# Altium PCB Ethernet2MilProtocolAdapter.PcbDoc (part 2 of 3) (continued)
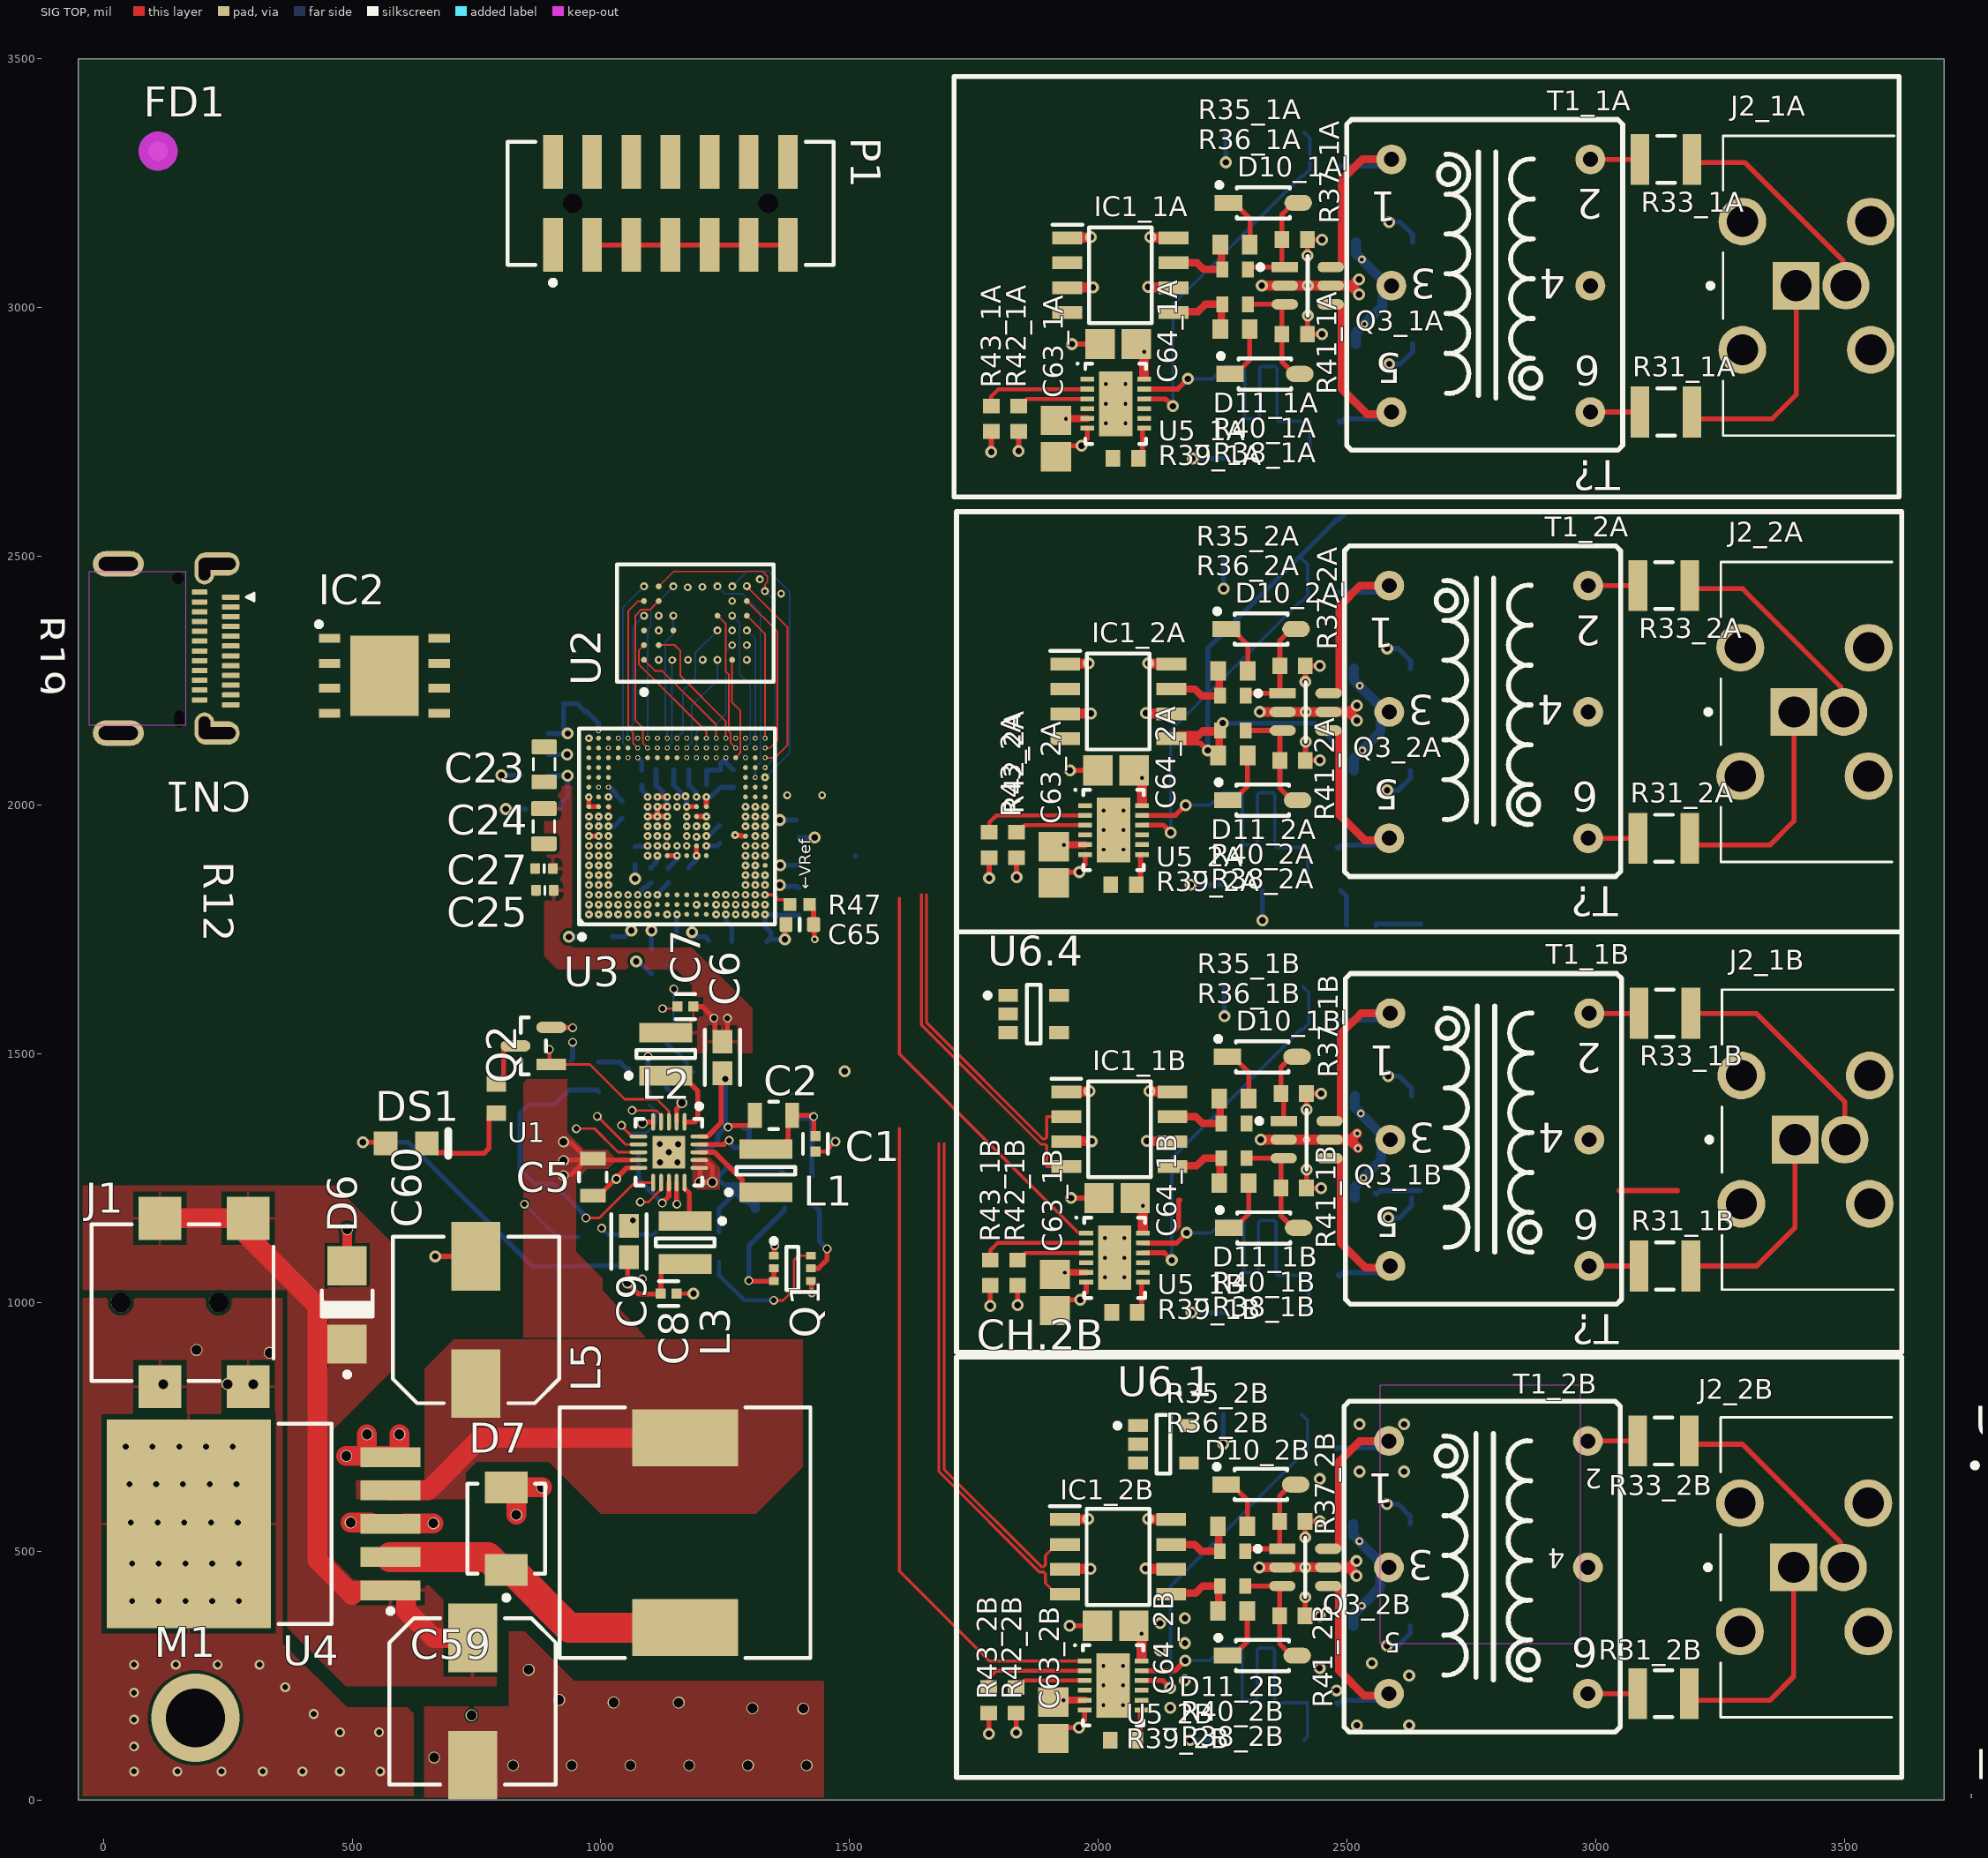
[diagram p0: SIG TOP view]
## Part data (continued)
U5_1A U5_1B U5_2A U5_2B: library part CMP-015-00008-1, "Line Transceiver, 1 Func, 1 Driver, 1 Rcvr, CMOS, PDSO12", Case/Package=HVSON, Max Operating Temperature=85°C, Max Supply Voltage=5.5V, Min Operating Temperature=-40°C, Min Supply Voltage=3V, Nominal Supply Voltage=3.3V, ComponentLink1Description="Datasheet Link", ComponentLink1URL=https://www.analog.com/media/en/technical-documentation/data-sheets/2862345fc.pdf, Pins=12, RoHS Compliant=Yes
U6.1 U6.2 U6.3 U6.4: library part CMP-2000-07604-2, "IC REG LINEAR 3.3V 300MA SOT23-5", Case/Package=SOT-23-5, Dropout Voltage=380mV, Max Input Voltage=5.5V, Max Operating Temperature=125°C, Max Output Current=300mA, Min Input Voltage=2.5V, Min Operating Temperature=-40°C, Nominal Output Voltage=3.3V, Operating Supply Current=42uA, Power Supply Rejection Ratio (PSRR)=60dB, Quiescent Current=38uA, Accuracy=3%, Height=1.1mm, Length=2.9mm, Mount="Surface Mount", Number of Outputs=1, Number of Pins=5, Output Current=300mA, Output Type=Fixed, Output Voltage=3.3V, Packaging="Tape and Reel", REACH SVHC="No SVHC", Width=1.6mm
Y1: library part CMP-27762-002611-1, "MEMS Oscillator 12MHz ±50ppm LVCMOS 3.3V SMD 2.5x2mm", Case/Package=SMD/SMT, Frequency=12MHz, Frequency Stability=50ppm, Load Capacitance=15pF, Max Operating Temperature=85°C, Max Supply Current=10mA, Max Supply Voltage=3.6V, Min Operating Temperature=-40°C, Min Supply Voltage=3V, Operating Frequency="12 MHz", Operating Supply Voltage=3.3V, Package Quantity=1000, Height=0.035inch, Lead Free="Lead Free", Length=0.098inch, Mount="Surface Mount", Number of Pins=4, Packaging="Tape and Reel", RoHS Compliant=Yes, Series="Pure Silicon™ ASDM", Termination=SMD/SMT, Width=0.079inch

## Via types
v1: diameter 15.75, hole 5.91, SIG TOP to SIG BOT, tented both sides, 138 vias
v2: diameter 24, hole 13, SIG TOP to SIG BOT, tented both sides, 107 vias
v3: diameter 15.75, hole 7.87, SIG TOP to SIG BOT, tented both sides, 49 vias
v4: diameter 9.84, hole 5.91, SIG TOP to SIG BOT, tented both sides, 46 vias
v5: diameter 19.68, hole 11.81, SIG TOP to SIG BOT, tented both sides, 45 vias
v6: diameter 17.72, hole 11.81, SIG TOP to SIG BOT, tented both sides, 34 vias
v7: diameter 23.62, hole 19.68, SIG TOP to SIG BOT, tented both sides, 27 vias
v8: diameter 19.68, hole 7.87, SIG TOP to SIG BOT, 24 vias
v9: diameter 24/0/0/0/0/24 (per signal layer), hole 13, SIG TOP to SIG BOT, tented both sides, 20 vias
v10: diameter 21.65, hole 15.75, SIG TOP to SIG BOT, tented both sides, 8 vias
v11: diameter 177.17, hole 118.11, SIG TOP to SIG BOT, 1 vias

## Nets (pads, with @x,y where several pads share a name; then routed paths per layer and width w, separated by ;. In a path a pad name is that pad's centre, name@x,y a point inside that pad or via, vN(x,y) a via of type N, cw(c..) or ccw(c..) an arc to the next point about the centre after c; other vN are vias at no path point)
5V_Rail: C60.1 L5.2 U4.4 | length 636.4
  SIG TOP w40: U4.4@577.07,621.98 653.06,621.98 759.27,728.18 L5.2@1169.53,728.18
+5: C3.1 C4.1 C5.1 C61_1A.2 C61_1B.2 C61_2A.2 C61_2B.2 C62_1A.2 C62_1B.2 C62_2A.2 C62_2B.2 C64_1A.2 C64_1B.2 C64_2A.2 C64_2B.2 IC1_1A.1 IC1_1A.6 IC1_1A.8 IC1_1B.1 IC1_1B.6 IC1_1B.8 IC1_2A.1 IC1_2A.6 IC1_2A.8 IC1_2B.1 IC1_2B.6 IC1_2B.8 R7.2 R8.2 R10.2 T1_1A.3 T1_1B.3 T1_2A.3 T1_2B.3 U1.2 U1.5 U1.9 U1.13 U1.16 U1.17 U5_1A.12 U5_1B.12 U5_2A.12 U5_2B.12 U6.1.1 U6.1.3 U6.2.1 U6.2.3 U6.3.1 U6.3.3 U6.4.1 U6.4.3 | length 4680.9
  SIG TOP w10: v10(925,1255) 927.23,1257.23 940.28,1257.23 963.51,1280.46 957.65,1286.32 926.22,1286.32 v10(925.08,1285.17) ; v10(925.08,1322.95) 927.31,1320.72 940.81,1320.72 963.51,1298.02 967.79,1293.74 C5.1@967.79,1289.24 ; C5.1@984.1,1289.24 987.01,1286.33 U1.9@1075.79,1286.33 ; v10(1083.67,1360.77) 1084.37,1360.07 1089.05,1360.07 1092.08,1363.1 U1.5@1105.32,1363.1 ; v6(1123.47,1199.84) 1136.81,1213.19 U1.13@1136.81,1241.05 ; U1.2@1152.56,1363.1 1152.56,1389.26 1162.84,1399.54 v10(1162.84,1401.37) ; U1.17@1197.84,1286.33 1209.49,1286.33 1224.1,1271.72 v10(1224.1,1241.84) v10(1199.1,1241.84) 1199.1,1265.92 ; v2(2095.68,2185) v2@2096.46,2184.22 ; v2(2100,3041.99) v2@2100.78,3041.21 ; IC1_2B.6@2145.68,464.22 IC1_2B.6@2146.46,463.43 ; IC1_2B.8@2145.68,564.22 IC1_2B.8@2146.46,563.43 ; IC1_2A.6@2146.35,2184.22 IC1_2A.6@2147.14,2183.43 ; IC1_2A.8@2146.35,2284.22 IC1_2A.8@2147.14,2283.43 ; IC1_1B.6@2148.51,1324.22 IC1_1B.6@2149.29,1323.43 ; IC1_1B.8@2148.51,1424.22 IC1_1B.8@2149.29,1423.43 ; IC1_1A.6@2150.68,3041.21 IC1_1A.6@2151.46,3040.42 ; IC1_1A.8@2150.68,3141.21 IC1_1A.8@2151.46,3140.42
  SIG TOP w20: IC1_2B.1@1932.92,563.43 1933.72,564.23 1979.23,564.23 v2(1980,565) ; IC1_2A.1@1933.59,2283.43 1934.39,2284.23 1979.91,2284.23 v2(1980.68,2285) ; IC1_1B.1@1935.75,1423.43 1936.55,1424.23 1982.07,1424.23 v2(1982.83,1425) ; IC1_1A.1@1937.92,3140.42 1938.72,3141.22 1984.23,3141.22 v2(1985,3141.99) ; C64_2B.2@2071.42,350 v3(2087.09,334.33) 2087.09,285 ; C64_2A.2@2072.09,2070 v3(2087.76,2054.33) 2087.76,2005 ; C64_1B.2@2074.25,1210 v3(2089.92,1194.33) 2089.92,1145 ; C64_1A.2@2076.42,2926.99 v3(2092.09,2911.32) 2092.09,2861.99 ; v2@2095.78,464.22 IC1_2B.6@2145.68,464.22 ; v2@2096.46,2184.22 IC1_2A.6@2146.35,2184.22 ; v2@2098.62,1324.22 IC1_1B.6@2148.51,1324.22 ; v2(2100,565) 2100.77,564.23 IC1_2B.8@2145.66,564.23 ; v2(2100.68,2285) 2101.44,2284.23 IC1_2A.8@2146.34,2284.23 ; v2@2100.78,3041.21 IC1_1A.6@2150.68,3041.21 ; v2(2102.83,1425) 2103.6,1424.23 IC1_1B.8@2148.49,1424.23 ; v2(2105,3141.99) 2105.77,3141.22 IC1_1A.8@2150.66,3141.22
  PWR w10: v10(925,1255) v10(925,1255) 925.04,1285.13 v10(925.08,1285.17) v10(925.08,1322.95) ; 1130.75,1217.19 1136.81,1217.19 ; 1154.1,1392.63 v10(1162.84,1401.37) ; v10(1199.1,1241.84) v10(1224.1,1241.84)
  PWR w20: v2(1980,565) v2(2100,565) 2100,563.92 2095,558.92 v2(2095,465) 2124.59,494.59 2417.44,494.59 2427.39,504.54 2529.49,504.54 2545.83,488.2 2545.83,483.75 2562.18,467.4 T1_2B.3@2584.32,467.4 ; v2(1982.83,1425) v2(2102.83,1425) 2102.83,1331.08 2097.83,1326.08 v2(2097.83,1325) 2142.83,1280 2345.69,1280 2357.59,1291.9 2473.76,1291.9 2480.21,1285.46 2545.22,1285.46 T1_1B.3@2587.16,1327.4
  SIG BOT w10: 1075.79,1302.08 1075.79,1247.52 v6(1123.47,1199.84) ; R10.2@1130.8,1464.17 1130.8,1433.41 v10(1162.84,1401.37) ; v10(1224.1,1241.84) 1233.25,1250.99 ; R8.2@1237.36,1142.07 1237.36,1187.59 1247.86,1198.1 1273.02,1223.25 1286.33,1236.56 ; 1298.14,1236.56 1286.33,1236.56 ; 1367.6,1260.11 1358.08,1269.63 1251.89,1269.63 1233.25,1250.99 ; 1925.61,10438.99 1951.3,10464.68 1951.3,10519.18 1975.83,10543.71 ; 1233.25,1250.99 1247.68,1236.56 1286.33,1236.56
  SIG BOT w20: 1273.02,1223.25 1273.52,1223.25 1288.72,1208.05 1296.36,1208.05 1310.47,1193.94 R7.2@1310.47,1190 ; C62_2B.2@2512.91,350 2512.91,372.91 v3(2530,390) 2530,390.71 2566.5,427.21 2566.5,446.69 2570,450.19 2570,459.81 2566.5,463.31 2566.5,477.79 2525,519.29 v3(2525,520) 2512.91,532.09 C61_2B.2@2512.91,555 ; C62_2A.2@2513.59,2070 2513.59,2092.91 v3(2530.68,2110) 2530.68,2110.71 2567.18,2147.21 2567.18,2166.69 2570.68,2170.19 2570.68,2179.81 2567.18,2183.31 2567.18,2197.79 2525.68,2239.29 v3(2525.68,2240) 2513.59,2252.09 C61_2A.2@2513.59,2275 ; C62_1B.2@2515.75,1210 2515.75,1232.91 v3(2532.83,1250) 2532.83,1250.71 2569.33,1287.21 2569.33,1306.69 2572.83,1310.19 2572.83,1319.81 2569.33,1323.31 2569.33,1337.79 2527.83,1379.29 v3(2527.83,1380) 2515.75,1392.09 C61_1B.2@2515.75,1415 ; C62_1A.2@2517.91,2926.99 2517.91,2949.9 v3(2535,2966.99) 2535,2967.7 2571.5,3004.2 2571.5,3023.68 2575,3027.18 2575,3036.8 2571.5,3040.3 2571.5,3054.78 2530,3096.28 v3(2530,3096.99) 2517.91,3109.08 C61_1A.2@2517.91,3131.99
+12: C59.1 D6.1 J1.1 U4.1 | length 1304.2
  SIG TOP w40: J1.1@113.74,1169.29 114.73,1169.29 271.25,1169.29 281.57,1158.97 281.57,1159.96 J1.1@290.91,1169.29 ; J1.1@289.23,1134.35 430.02,993.56 430.02,482.28 499.94,412.37 508.76,421.19 U4.1@577.07,421.19 608.42,421.19 608.42,381.12 664.55,325 C59.1@741.61,325
"ARINC 429_RX_A_P": R60.1
"ARINC 429_RX_B_N": R61.1
"ARINC 429_RX_N": U3.V5
  other v1: 1310.54,1859.02
"ARINC 429_RX_P": U3.U5
  other v1: 1290.85,1859.02
"ARINC 429_TX_A_P": R58.1
"ARINC 429_TX_B_N": R59.1
"ARINC 429_TX_N": U3.V8
  other v1: 1310.54,1918.08
"ARINC 429_TX_P": U3.U8
  other v1: 1290.85,1918.08
BANK_34_VREF_0: R47.2@1380.31,1800 U3.W3 | length 58.2
  SIG TOP w6: v1(1330.22,1819.65) 1345.96,1819.65 1355.82,1809.8 1370.52,1809.8 R47.2@1380.31,1800
BANK_34_VREF_1: U3.V7
  other v1: 1310.54,1898.39 1310.54,1898.39
CLK_12M_a: R16.1 Y1.3
CLK_12M_b: R16.2 U3.L17
  other v4: 1172.74,2095.25
EN_2: Q1.6 R8.1 U1.12 | length 710.2
  SIG TOP w5: v6(1079.42,1202.17) 1095.84,1202.17 U1.12@1121,1227.33 ; v6(1347.65,1004.35) 1366.32,1004.35 1388.3,1026.33 1388.3,1084.92 1397.55,1094.18 Q1.6@1422.56,1094.18
  SIG w8: v6(1079.42,1202.17) 1280.19,1001.41 1322.79,1001.41 1325.73,1004.35 v6(1347.65,1004.35)
  SIG BOT w8: R8.1@1237.36,1083.01 1237.36,1055.27 1288.27,1004.35 v6(1347.65,1004.35)
EN_3: R9.2 R13.1 U1.11 | length 629.4
  SIG TOP w5: v6(969.88,1170.13) 997.13,1170.13 1068.05,1241.05 U1.11@1105.32,1241.05
  SIG BOT w10: v6(969.88,1170.13) 968.41,1171.61 968.41,1174.82 905.35,1237.88 868.89,1237.88 837.91,1268.86 837.91,1380.69 855.84,1398.63 907.56,1398.63 936.24,1427.31 992.43,1427.31 R9.2@995.37,1424.37
F_AGND: C29.2 NT1.1 NT2.1 U3.A12 U3.A13 U3.B12 U3.B13 U3.C12 | length 41.4
  SIG TOP w10: v1(975.74,2016.19) 975.74,2016.35 U3.A13@975.89,2016.5 U3.A12@975.89,1996.82 U3.B12@995.57,1996.82 ; U3.C12@1015.26,1996.82 U3.C12@1016.46,1995.62
F_CFG_BVS_0: U3.V11
  other v1: 1310.54,1977.13
F_CFG_CLK: U3.C11
  other v1: 1015.26,1977.13
F_JTAG_TCK_0: R24.2 U3.C8
  other v1: 1015.26,1918.08
F_JTAG_TCK_1: D3.1 P1.6 R24.1
F_JTAG_TDI_0: R26.2 U3.W10
  other v1: 1330.22,1957.45
F_JTAG_TDI_1: D1.1 P1.10 R26.1
F_JTAG_TDO_0: R25.2 U3.W8
  other v1: 1330.22,1918.08
F_JTAG_TDO_1: D2.1 P1.8 R25.1
F_JTAG_TMS_0: R20.2 U3.W9
  other v1: 1330.22,1937.76
F_JTAG_TMS_1: D4.1 P1.4 R20.1
F_MODE_0: R21.1 R28.2 U3.V12
  other v1: 1310.54,1996.82
F_MODE_1: R22.1 R29.2 U3.W11
  other v1: 1330.22,1977.13
F_MODE_2: R23.1 R30.2 U3.U10
  other v1: 1290.85,1957.45
F_PGM_B_0: U3.V10
  other v1: 1310.54,1957.45
F_PGM_DONE: R19.1 R27.2 U3.U12
  other v1: 1290.85,1996.82
F_PGM_INIT: R17.1
F_PGM_INIT_n: R18.1 U3.U11
  other v1: 1290.85,1977.13
F_VCCADC: C28.2 C29.1 L4.1 U3.C13
  other v1: 1015.26,2016.5
GND: C1.2@1177.21,2070.22 C2.2 C3.2 C4.2 C5.2 C6.2 C9.2 C10.1 C11.1 C12.2 C13.2 C14.2 C17.2 C18.2 C19.2 C20.2 C21.2 C22.1 C23.2 C24.2 C25.2 C26.2 C27.1 C28.1 C30.2 C31.2 C32.2 C33.1 C34.1 C35.1 C36.2 C37.2 C38.2 C39.2 C40.2 C41.2 C42.2 C43.2 C44.2 C45.2 C46.2 C47.2 C48.2 C49.2 C50.2 C51.2 C52.2 C53.2 C54.2 C55.2 C56.2 C57.2 C58.2 C59.2 C60.2 C61_1A.1 C61_1B.1 C61_2A.1 C61_2B.1 C62_1A.1 C62_1B.1 C62_2A.1 C62_2B.1 C63_1A.1 C63_1B.1 C63_2A.1 C63_2B.1 C64_1A.1 C64_1B.1 C64_2A.1 C64_2B.1 C65.2 D1.2 D2.2 D3.2 D4.2 D5.1 D6.2 D7.2 D8_1A.2 D8_1B.2 D8_2A.2 D8_2B.2 D9_1A.2 D9_1B.2 D9_2A.2 D9_2B.2 IC1_1A.3 IC1_1B.3 IC1_2A.3 IC1_2B.3 J1.2 J1.3 NT1.2 NT2.2 P1.3 P1.5 P1.7 P1.9 P1.11 P1.13 Q1.1 Q1.4 Q2.2 Q3_1A.2 Q3_1A.5 Q3_1B.2 Q3_1B.5 Q3_2A.2 Q3_2A.5 Q3_2B.2 Q3_2B.5 R2.2 R4.2 R6.2 R13.2 R14.1 R28.1 R29.1 R30.1 R37_1A.1 R37_1B.1 R37_2A.1 R37_2B.1 R41_1A.1 R41_1B.1 R41_2A.1 R41_2B.1 R42_1A.1 R42_1B.1 R42_2A.1 R42_2B.1 R43_1A.2 R43_1B.2 R43_2A.2 R43_2B.2 U1.10 U1.14 U1.19 U1.20 U1.21 U2.D1 U2.E6 U3.A1 U3.A3 U3.A4 U3.A5 U3.A6 U3.A7 U3.A9 U3.A11 U3.A19 U3.B1 U3.B3 U3.B4 U3.B5 U3.B6 U3.B7 U3.B9 U3.B11 U3.B14 U3.C1 U3.C2 U3.C3 U3.C4 U3.C5 U3.C6 U3.C7 U3.C10 U3.C19 U3.D3 U3.E1 U3.E2 U3.E3 U3.E17 U3.F1 U3.F2 U3.F3 U3.F19 U3.G1 U3.G7 U3.G8 U3.G9 U3.G11 U3.H7 U3.H8 U3.H9 U3.H11 U3.H12 U3.H18 U3.J8 U3.J9 U3.J11 U3.J12 U3.K8 U3.L8 U3.L9 U3.L11 U3.L19 U3.M9 U3.M13 U3.N9 U3.N12 U3.N13 U3.P2 U3.T19 U3.U6 U3.U9 U3.V18 U3.W1 U3.W12 U4.3 U4.5 U4.6 U5_1A.6 U5_1A.13 U5_1B.6 U5_1B.13 U5_2A.6 U5_2A.13 U5_2B.6 U5_2B.13 U6.1.2 U6.1.4 U6.2.2 U6.2.4 U6.3.2 U6.3.4 U6.4.2 U6.4.4 Y1.2 | length 6349.4
  SIG TOP w10: D6.2@490,1073.74 D6.2@490.19,1073.93 ; U4.5@530,706.57 U4.5@545,691.57 ; v2(667.32,1092.77) C60.2@748.99,1092.77 ; Q2.2@900.33,1553.18 900.6,1552.91 943.19,1552.91 v6(943.46,1552.64) ; v1(975.89,1937.76) v1(995.57,1937.76) ; P1.3@982.52,3126.34 P1.5@1061.26,3126.34 P1.7@1140,3126.34 P1.9@1218.74,3126.34 P1.13@1376.22,3126.34 ; C5.2@984.1,1214.44 995.91,1214.44 1052.05,1270.58 U1.10@1075.79,1270.58 ; v1(1094,1977.13) v1(1113.68,1977.13) ; v1(1133.37,1977.13) v1(1113.68,1977.13) ; v1(1133.37,1996.82) v1(1113.68,1996.82) v1(1113.68,1977.13) ; U1.14@1152.56,1241.05 1152.56,1198.38 v6(1153.02,1197.93) ; U1.19@1197.84,1317.82 1247.84,1317.82 1255.86,1325.85 v6(1257.95,1325.85) ; U1.20@1197.84,1333.57 1214.23,1333.57 1241.69,1361.03 1241.69,1442.38 1248.64,1449.33 v6(1250.3,1449.33) C6.2@1250.3,1449.82 ; U3.N12@1212.11,1996.82 v1(1212.11,2016.5) ; v6(1255.84,1352.53) 1257.93,1352.53 1260.97,1355.57 1300.93,1355.57 1309.71,1364.35 C2.2@1309.71,1376.16 ; v1(1270,1940) 1271.1,1938.9 1282,1938.9 1283.14,1937.76 U3.U9@1290.85,1937.76 ; Q1.1@1347.76,1094.18 1348.67,1095.08 1348.67,1113.51 v6(1349.57,1114.41) ; v2(1370,1730) 1370,1757.56 C65.2@1372.44,1760 ; Q1.4@1422.56,1043 1423.48,1042.08 1423.48,1020.37 v6(1424.4,1019.45) ; v9(1780,133.01) R43_2B.2@1780,174.41 ; v9(1780.68,1853.01) R43_2A.2@1780.68,1894.41 ; v9(1782.83,993.01) R43_1B.2@1782.83,1034.41 ; v9(1785,2710) R43_1A.2@1785,2751.4 ; v9(1835,135) R42_2B.1@1835,174.41 ; v9(1835.68,1855) R42_2A.1@1835.68,1894.41 ; v9(1837.83,995) R42_1B.1@1837.83,1034.41 ; v9(1840,2711.99) R42_1A.1@1840,2751.4 ; C63_2B.1@1910,123.58 1931.77,145.35 v2(1961.18,145.35) 1961.18,148.98 1972.91,160.71 U5_2B.6@1972.91,180.79 ; C63_2A.1@1910.68,1843.58 1932.45,1865.35 v2(1961.86,1865.35) 1961.86,1868.98 1973.59,1880.71 U5_2A.6@1973.59,1900.79 ; C63_1B.1@1912.83,983.58 1934.61,1005.35 v2(1964.02,1005.35) 1964.02,1008.98 1975.75,1020.71 U5_1B.6@1975.75,1040.79 ; C63_1A.1@1915,2700.57 1936.77,2722.34 v2(1966.18,2722.34) 1966.18,2725.97 1977.91,2737.7 U5_1A.6@1977.91,2757.78 ; v2(1942.32,350) C64_2B.1@1998.58,350 ; v2(1942.99,2070) C64_2A.1@1999.26,2070 ; v2(1945.15,1210) C64_1B.1@2001.42,1210 ; v2(1947.32,2926.99) C64_1A.1@2003.58,2926.99 ; R41_2B.1@2415.59,370 v2(2445,370) ; R41_2B.1@2415.59,371.97 2415.84,372.22 2415.84,407.11 v2(2416.09,407.36) ; R37_2B.1@2415.59,561.97 R37_2B.1@2415.84,561.72 ; v2(2415.84,527.69) R37_2B.1@2415.84,561.72 ; R41_2A.1@2416.27,2090 v2(2445.68,2090) ; R41_2A.1@2416.27,2091.97 2416.51,2092.22 2416.51,2127.11 v2(2416.76,2127.36) ; R37_2A.1@2416.27,2281.97 2418.23,2280 v2(2445.68,2280) ; v2(2416.51,2247.69) R37_2A.1@2416.51,2281.72 ; R41_1B.1@2418.42,1230 v2(2447.83,1230) ; R41_1B.1@2418.42,1231.97 2418.67,1232.22 2418.67,1267.11 v2(2418.92,1267.36) ; R37_1B.1@2418.42,1421.97 R37_1B.1@2418.67,1421.72 ; v2(2418.67,1387.69) R37_1B.1@2418.67,1421.72 ; R41_1A.1@2420.59,2946.99 v2(2450,2946.99) ; R41_1A.1@2420.59,2948.96 2420.84,2949.21 2420.84,2984.1 v2(2421.09,2984.35) ; R37_1A.1@2420.59,3138.96 R37_1A.1@2420.84,3138.71 ; v2(2420.84,3104.68) R37_1A.1@2420.84,3138.71 ; v2(2445,560) 2417.56,560 R37_2B.1@2415.84,561.72 ; v2(2447.83,1420) 2420.39,1420 R37_1B.1@2418.67,1421.72 ; v2(2450,3136.99) 2422.56,3136.99 R37_1A.1@2420.84,3138.71
  SIG TOP w20: D6.2@490.19,1073.93 v7(490.19,1146.92) ; IC1_2B.3@1932.92,463.43 1933.7,464.22 v2(1984.22,464.22) ; IC1_2A.3@1933.59,2183.43 1934.38,2184.22 v2(1984.89,2184.22) ; IC1_1B.3@1935.75,1323.43 1936.53,1324.22 v2(1987.05,1324.22) ; IC1_1A.3@1937.92,3040.42 1938.7,3041.21 v2(1989.22,3041.21) ; v2(2323.78,467.4) Q3_2B.2@2370,467.4 v2(2416.09,467.4) Q3_2B.5@2462.17,467.4 ; v2(2324.45,2187.4) Q3_2A.2@2370.68,2187.4 v2(2416.76,2187.4) Q3_2A.5@2462.85,2187.4 ; v2(2328.78,3044.39) Q3_1A.2@2375,3044.39 v2(2421.09,3044.39) Q3_1A.5@2467.17,3044.39 ; Q3_2B.5@2463.85,467.51 2463.96,467.4 2505.64,467.4 ; Q3_2A.5@2464.53,2187.51 2464.64,2187.4 2506.32,2187.4 ; Q3_1A.5@2468.85,3044.5 2468.96,3044.39 2510.64,3044.39 ; v2(2519.32,450) 2519.32,451.08 2505.64,464.76 2505.64,467.4 ; v2(2519.32,480) 2517.6,480 2505.64,468.04 2505.64,467.4 ; v2(2520,2170) 2520,2171.08 2506.32,2184.76 2506.32,2187.4 ; v2(2520,2200) 2518.28,2200 2506.32,2188.04 2506.32,2187.4 ; v2(2524.32,3026.99) 2524.32,3028.07 2510.64,3041.75 2510.64,3044.39 ; v2(2524.32,3056.99) 2522.6,3056.99 2510.64,3045.03 2510.64,3044.39
  SIG TOP w40: v7(488.43,691.57) U4.5@530,691.57 ; v7(496.96,557.61) U4.3@537.38,557.61 ; v7(530,735) 530,706.57 U4.5@530,691.57 ; v7(595,735) 595,691.57 545,691.57 U4.5@530,691.57 ; U4.3@605.65,556.05 v7(663.44,556.05) ; D7.2@810,628.07 D7.2@821.02,628.07 ; v7(830.17,573.16) 830.17,618.92 D7.2@821.02,628.07 ; v7(881.49,628.26) 821.21,628.26 D7.2@821.02,628.07
  SIG BOT w10: v2(800.19,2059.93) C47.2@839.52,2059.93 ; v2(809.16,1992.19) C30.2@848.49,1992.19 ; R13.2@940.18,1486.36 943.39,1489.57 v6(943.39,1523.26) ; v1(1015.26,1957.45) 1015.5,1957.7 1027.36,1957.7 1037.16,1967.49 1037.16,1968.71 1041.76,1973.31 C31.2@1042.98,1973.31 ; C56.2@1068.6,1916.18 1069.56,1917.13 1093.05,1917.13 v1(1094,1918.08) ; v2(1071.09,1685.78) 1073.77,1683.1 1079.3,1683.1 1100.18,1662.23 C54.2@1102.14,1662.23 ; v1(1074.31,1819.65) 1075.41,1820.75 1075.41,1822.87 1087.62,1835.07 1092.04,1835.07 1100.52,1843.56 C57.2@1100.52,1844.54 ; v6(1095,1495) 1095,1426.48 1096.93,1424.54 1096.93,1419.69 R4.2@1097.01,1419.61 ; C58.2@1100.48,1873.2 1100.48,1874.18 1112.58,1886.29 1112.58,1897.29 v1(1113.68,1898.39) ; C37.2@1110.87,2070.22 1110.97,2070.12 1110.97,2040.86 C38.2@1111.07,2040.76 1111.07,2039.78 1115.91,2034.94 1116.9,2034.94 1123.53,2028.31 1123.53,2016.5 1132.27,2007.76 1132.27,1997.92 v1(1133.37,1996.82) ; C1.2@1177.21,2070.22 1177.31,2070.12 1177.31,2040.86 C49.2@1177.41,2040.76 ; C49.2@1177.41,2039.78 1191.32,2025.87 1191.32,2017.6 v1(1192.42,2016.5) ; v2(1183.62,1744.62) 1192.82,1735.42 1209.48,1735.42 C52.2@1216.93,1727.98 ; 1194.17,1309.23 1219.84,1309.23 1235.07,1324.46 1235.07,1337.3 1250.3,1352.53 v6(1250.3,1449.33) ; v1(1212.11,1937.76) 1213.21,1938.86 1218.2,1938.86 1234.61,1955.28 1237.95,1958.61 C42.2@1238.93,1958.61 ; v1(1212.11,2016.5) 1213.21,2017.6 1222.31,2017.6 1240.23,2035.52 C50.2@1241.21,2035.52 1241.38,2035.69 1266.56,2035.69 C51.2@1266.73,2035.85 ; v6(1257.95,1325.85) 1259.43,1324.37 1259.43,1319.48 1267.55,1311.36 1298.14,1311.36 1298.14,1349.33 1286.33,1349.33 ; v1(1330.22,1996.82) v1@1330.64,1996.82 ; C39.2@1333.48,1725.4 1338.08,1730 C39.2@1343.44,1730 ; v2(1370,1730) C39.2@1343.44,1730 ; C40.2@1397.52,1778.37 1345.01,1778.37 1343.09,1780.28 v1(1330.22,1780.28) 1330.22,1755.83 1341.75,1744.3 1341.75,1731.69 C39.2@1343.44,1730 ; C41.2@1398.56,1934.04 1399.04,1934.52 1429.52,1934.52 v9(1430,1935) ; v9(2184.58,120) D8_2B.2@2256.26,120 ; v9(2185.25,1840) D8_2A.2@2256.94,1840 ; v9(2187.41,980) D8_1B.2@2259.09,980 ; v9(2189.58,2696.99) D8_1A.2@2261.26,2696.99 ; v9(2251.26,715.46) D9_2B.2@2251.26,775 ; v9(2251.94,2435.46) D9_2A.2@2251.94,2495 ; v9(2254.09,1575.46) D9_1B.2@2254.09,1635 ; v9(2256.26,3292.45) D9_1A.2@2256.26,3351.99 ; v9(2329.94,1768.46) 2329.94,1828 ; v2(2580,310) 2602.56,310 2627.09,334.53 C62_2B.1@2627.09,350 ; v2(2580,595) 2602.56,595 2627.09,570.47 C61_2B.1@2627.09,555 ; v2(2580.68,2030) 2603.23,2030 2627.76,2054.53 C62_2A.1@2627.76,2070 ; v2(2580.68,2315) 2603.23,2315 2627.76,2290.47 C61_2A.1@2627.76,2275 ; v2(2582.83,1170) 2605.39,1170 2629.92,1194.53 C62_1B.1@2629.92,1210 ; v2(2582.83,1455) 2605.39,1455 2629.92,1430.47 C61_1B.1@2629.92,1415 ; v2(2585,2886.99) 2607.56,2886.99 2632.09,2911.52 C62_1A.1@2632.09,2926.99 ; v2(2585,3171.99) 2607.56,3171.99 2632.09,3147.46 C61_1A.1@2632.09,3131.99
  SIG BOT w12: v2(935.57,1735.1) C53.2@968.68,1735.1
  other v1: 975.89,1780.28 995.57,1780.28 1015.26,1780.28 1054.63,1780.28 1074.31,1780.28 1094,1780.28 1133.37,1780.28 1015.26,1799.97 1054.63,1799.97 1074.31,1799.97 1192.42,1799.97 1231.8,1799.97 975.89,1819.65 995.57,1819.65 1015.26,1819.65 1034.94,1819.65 1054.63,1819.65 1310.54,1819.65 975.89,1839.34 995.57,1839.34 1015.26,1839.34 975.89,1859.02 995.57,1859.02 1015.26,1859.02 975.89,1878.71 995.57,1878.71 1015.26,1878.71 1290.85,1878.71 975.89,1898.39 995.57,1898.39 1015.26,1898.39 1094,1898.39 1113.68,1918.08 1132.43,1918.01 1153.05,1918.08 1172.74,1918.08 1132.88,1937.39 1192.39,1936.62 1094,1937.76 1113.68,1937.76 1172.74,1937.76 975.89,1977.13 995.57,1977.13 1172.74,1977.13 975.89,2134.62
  other v2: 2520,150 2625,150 2145,185 2479.32,220 2174.32,240 2625,250 2445,265 2550,275 2124.32,300 2174.32,315 2124.32,355 2174.32,365 2445,645 2525,660 2615,660 2525,755 2615,755 2326.61,1327.4
  other v3: 2522.16,1310 2418.79,1327.4 2520.44,1340 1445.04,2020 1175.39,2292.19 1362.52,2425.26 1204.1,2438.73 1319.76,2454.18
  other v4: 995.57,2036.19 1054.63,2095.25 1113.68,2114.93 1310.54,2114.93 1074.31,2134.62 1172.74,2134.62 1271.17,2134.62
  other v5: 61.48,57.23 148.84,57.23 237.27,57.23 320.31,57.23 400.12,57.23 475.61,57.23 556.5,57.23 61.48,107.11 475.61,135.96 554.34,135.96 61.48,161.3 422.77,172.62 61.48,215.49 365.61,226.55 61.48,271.84 145.6,271.84 229.72,271.84 313.84,271.84 57.5,400 111.25,400 165,400 218.75,400 272.5,400 57.5,475 111.25,475 165,475 218.75,475 272.5,475 55.18,557.72 108.93,557.72 162.68,557.72 216.43,557.72 270.18,557.72 52.5,635 106.25,635 160,635 213.75,635 267.5,635 45,710 98.75,710 152.5,710 206.25,710 260,710 1031.17,1248.55
  other v6: 1083.64,1047.21 1064.42,1165.17 1119.1,1281.84 1154.1,1281.84 1136.81,1302.08 1118.59,1318.33 1155.31,1318.23
  other v7: 823.55,69.2 941.6,69.2 1059.65,69.2 1177.69,69.2 1295.74,69.2 1413.79,69.2 665,85 1406.98,183.44 1304.85,184.2 1025.6,195.78 1156.56,195.55 916.24,201.07 854.94,261.45 120.16,835.92 249.52,835.92 301,835.63 333.94,898.96 187.27,904.64
  other v8: 2010.32,190.63 2049.69,190.63 2010.32,230 2049.69,230 2010.32,269.37 2049.69,269.37 2013.15,1050.63 2052.52,1050.63 2013.15,1090 2052.52,1090 2013.15,1129.37 2052.52,1129.37 2010.99,1910.63 2050.36,1910.63 2010.99,1950 2050.36,1950 2010.99,1989.37 2050.36,1989.37 2015.31,2767.62 2054.68,2767.62 2015.31,2806.99 2054.68,2806.99 2015.31,2846.36 2054.68,2846.36
  other v9: 1490,1465
LOCAL_3.3V.1: C63_1A.2 C63_1B.2 C63_2A.2 C63_2B.2 R39_1A.2 R39_1B.2 R39_2A.2 R39_2B.2 U5_1A.5 U5_1B.5 U5_2A.5 U5_2B.5 U6.1.5 U6.2.5 U6.3.5 U6.4.5 | length 258.4
  SIG TOP w10: C63_2B.2@1910,196.42 C63_2B.2@1914.05,200.47 ; C63_2A.2@1910.68,1916.42 C63_2A.2@1914.73,1920.47 ; C63_1B.2@1912.83,1056.42 C63_1B.2@1916.89,1060.47 ; C63_1A.2@1915,2773.41 C63_1A.2@1919.05,2777.46
  SIG TOP w14: C63_2B.2@1914.05,200.47 U5_2B.5@1972.91,200.47 ; C63_2A.2@1914.73,1920.47 U5_2A.5@1973.59,1920.47 ; C63_1B.2@1916.89,1060.47 U5_1B.5@1975.75,1060.47 ; C63_1A.2@1919.05,2777.46 U5_1A.5@1977.91,2777.46
  other v3: 1930,200 1932.83,1060 1930.68,1920 1935,2776.99
MIL_1553_1A_RX: R46.2 U3.R3
  other v1: 1251.48,1819.65
MIL_1553_1A_TX_N: R45.1 U3.T2
  other v1: 1271.17,1799.97
MIL_1553_1A_TX_P: R44.1 U3.R2
  other v1: 1251.48,1799.97
MIL_1553_1B_RX: R51.2 U3.V2
  other v1: 1310.54,1799.97
MIL_1553_1B_TX_N: R50.1 U3.U1
  other v1: 1290.85,1780.28
MIL_1553_1B_TX_P: R49.1 U3.T1
  other v1: 1271.17,1780.28
MIL_1553_2A_RX: R54.2 U3.U4
  other v1: 1290.85,1839.34
MIL_1553_2A_TX_N: R53.1 U3.U2
  other v1: 1290.85,1799.97
MIL_1553_2A_TX_P: R52.1 U3.U3
  other v1: 1290.85,1819.65
MIL_1553_2B_RX: R57.2 U3.W7
  other v1: 1330.22,1898.39
MIL_1553_2B_TX_N: R56.1 U3.W4
  other v1: 1330.22,1839.34
MIL_1553_2B_TX_P: R55.1 U3.W5
  other v1: 1330.22,1859.02
NetCN1_1: CN1.1
NetCN1_2: CN1.2
NetCN1_3: CN1.3
NetCN1_4: CN1.4
NetCN1_A1: CN1.A1
NetCN1_A2: CN1.A2
NetCN1_A3: CN1.A3
NetCN1_A4: CN1.A4
NetCN1_A5: CN1.A5
NetCN1_A6: CN1.A6
NetCN1_A7: CN1.A7
NetCN1_A8: CN1.A8
NetCN1_A9: CN1.A9
NetCN1_A10: CN1.A10
NetCN1_A11: CN1.A11
NetCN1_A12: CN1.A12
NetCN1_B1: CN1.B1
NetCN1_B2: CN1.B2
NetCN1_B3: CN1.B3
NetCN1_B4: CN1.B4
NetCN1_B5: CN1.B5
NetCN1_B6: CN1.B6
NetCN1_B7: CN1.B7
NetCN1_B8: CN1.B8
NetCN1_B9: CN1.B9
NetCN1_B10: CN1.B10
NetCN1_B11: CN1.B11
NetCN1_B12: CN1.B12
NetD5_2: D5.2 R27.1
NetD10_1A_1: D10_1A.1 R35_1A.2 | length 108.9
  SIG TOP w10: D10_1A.1@2261.77,3210.99 2273.31,3210.99 2305,3179.3 2305,3127.46 R35_1A.2@2304.53,3126.99
NetD10_1B_1: D10_1B.1 R35_1B.2 | length 108.9
  SIG TOP w10: D10_1B.1@2259.61,1494 2271.14,1494 2302.83,1462.31 2302.83,1410.47 R35_1B.2@2302.36,1410
NetD10_2A_1: D10_2A.1 R35_2A.2 | length 108.9
  SIG TOP w10: D10_2A.1@2257.45,2354 2268.98,2354 2300.68,2322.31 2300.68,2270.47 R35_2A.2@2300.21,2270
NetD10_2B_1: D10_2B.1 R35_2B.2 | length 108.9
  SIG TOP w10: D10_2B.1@2256.77,634 2268.31,634 2300,602.31 2300,550.47 R35_2B.2@2299.53,550
NetD11_1A_1: D11_1A.1 R38_1A.2 | length 334
  SIG TOP w10: D11_1A.1@2264.92,2866.99 2276.46,2866.99 2304.53,2895.06 R38_1A.2@2304.53,2956.99
  SIG TOP w20: 2326.61,1327.4 2372.83,1327.4 2418.92,1327.4 2465,1327.4 ; 2466.69,1327.51 2466.8,1327.4 2508.48,1327.4 ; 2520.44,1340 2508.48,1328.04 2508.48,1327.4 ; 2522.16,1310 2522.16,1311.08 2508.48,1324.76 2508.48,1327.4
NetD11_1B_1: D11_1B.1 R38_1B.2 | length 113.2
  SIG TOP w10: D11_1B.1@2262.76,1150 2274.29,1150 2302.36,1178.07 R38_1B.2@2302.36,1240
NetD11_2A_1: D11_2A.1 R38_2A.2 | length 113.2
  SIG TOP w10: D11_2A.1@2260.6,2010 2272.13,2010 2300.2,2038.07 R38_2A.2@2300.21,2100
NetD11_2B_1: D11_2B.1 R38_2B.2 | length 113.2
  SIG TOP w10: D11_2B.1@2259.92,290 2271.46,290 2299.53,318.07 R38_2B.2@2299.53,380
NetDS1_2: DS1.2 R12.1 | length 216.4
  SIG TOP w10: DS1.2@650,1320 668.62,1301.38 692.24,1301.38 693.62,1300 764.96,1300 775.32,1310.36 775.32,1369.73 786.06,1380.47 R12.1@790,1380.47
NetIC2_1: IC2.1
NetIC2_2: IC2.2
NetIC2_3: IC2.3
NetIC2_4: IC2.4
NetIC2_5: IC2.5
NetIC2_6: IC2.6
NetIC2_7: IC2.7
NetIC2_8: IC2.8
NetIC2_9: IC2.9
NetJ2_1A_3: J2_1A.3
NetJ2_1A_4: J2_1A.4
NetJ2_1A_5: J2_1A.5
NetJ2_1A_6: J2_1A.6
NetJ2_1B_3: J2_1B.3
NetJ2_1B_4: J2_1B.4
NetJ2_1B_5: J2_1B.5
NetJ2_1B_6: J2_1B.6
NetJ2_2A_3: J2_2A.3
NetJ2_2A_4: J2_2A.4
NetJ2_2A_5: J2_2A.5
NetJ2_2A_6: J2_2A.6
NetJ2_2B_3: J2_2B.3
NetJ2_2B_4: J2_2B.4
NetJ2_2B_5: J2_2B.5
NetJ2_2B_6: J2_2B.6
NetM1_1: 
NetM2_1: 
NetM3_1: 
NetM4_1: 
NetP1_1: P1.1
NetP1_12: P1.12
NetP1_14: P1.14
NetQ1_2: Q1.2 Q1.3 R7.1 | length 252.1
  SIG TOP w10: v6(1297.66,1043.64) 1298.3,1043 Q1.3@1347.76,1043 Q1.2@1347.76,1068.59
  SIG BOT w10: v6(1297.66,1043.64) 1297.66,1114.2 1369.53,1186.07 R7.1@1369.53,1190